# Altium PCB Battlebot_Main_PCB.PcbDoc
Units mm, origin at the board's own origin, x right, y up, seen from the top; angles counter-clockwise.
Board outline 152 x 130 mm, 2 copper layers (Top Layer, Bottom Layer); 26 components, 46 nets, 204 pads, 47 vias.
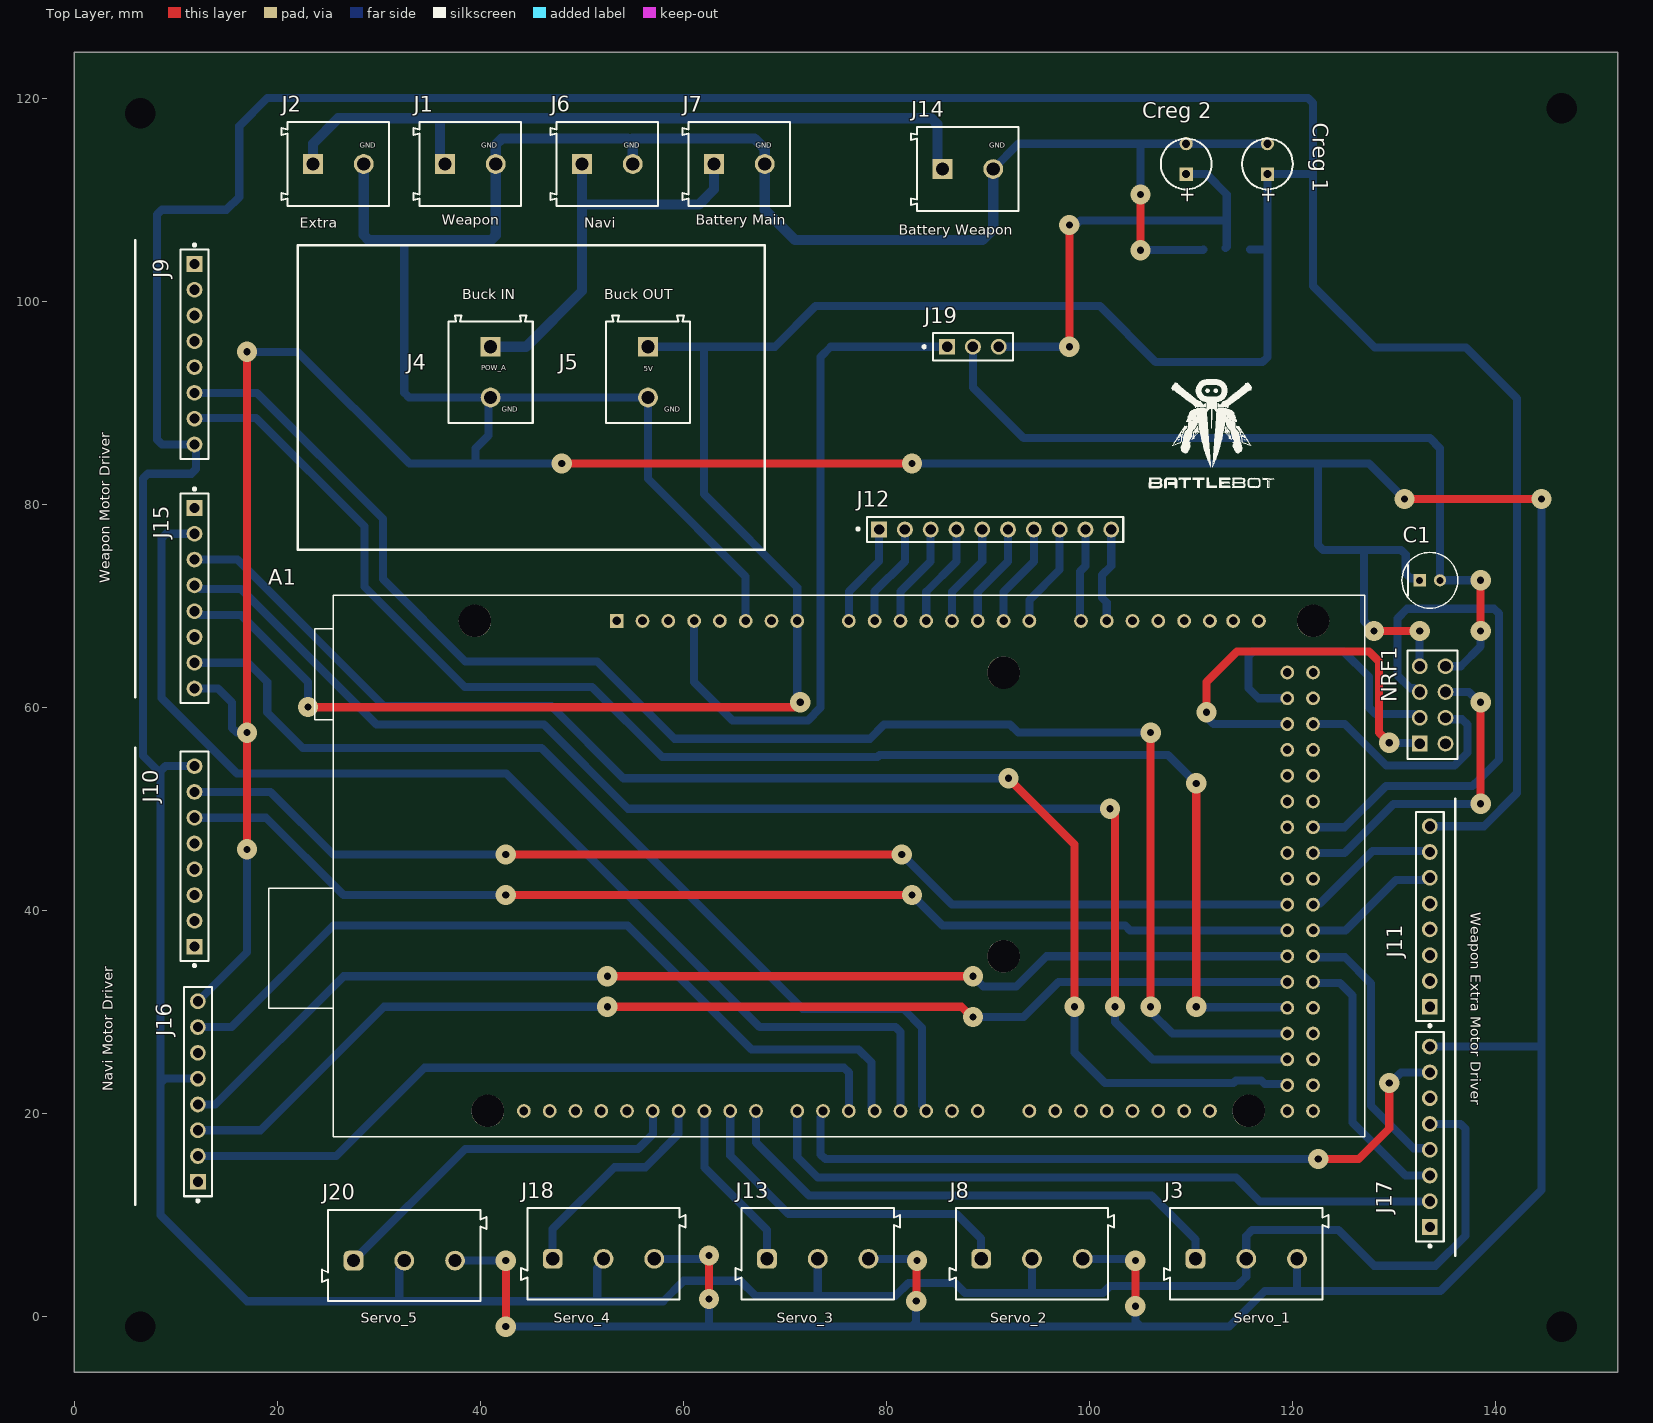
[diagram p0: Top Layer view]
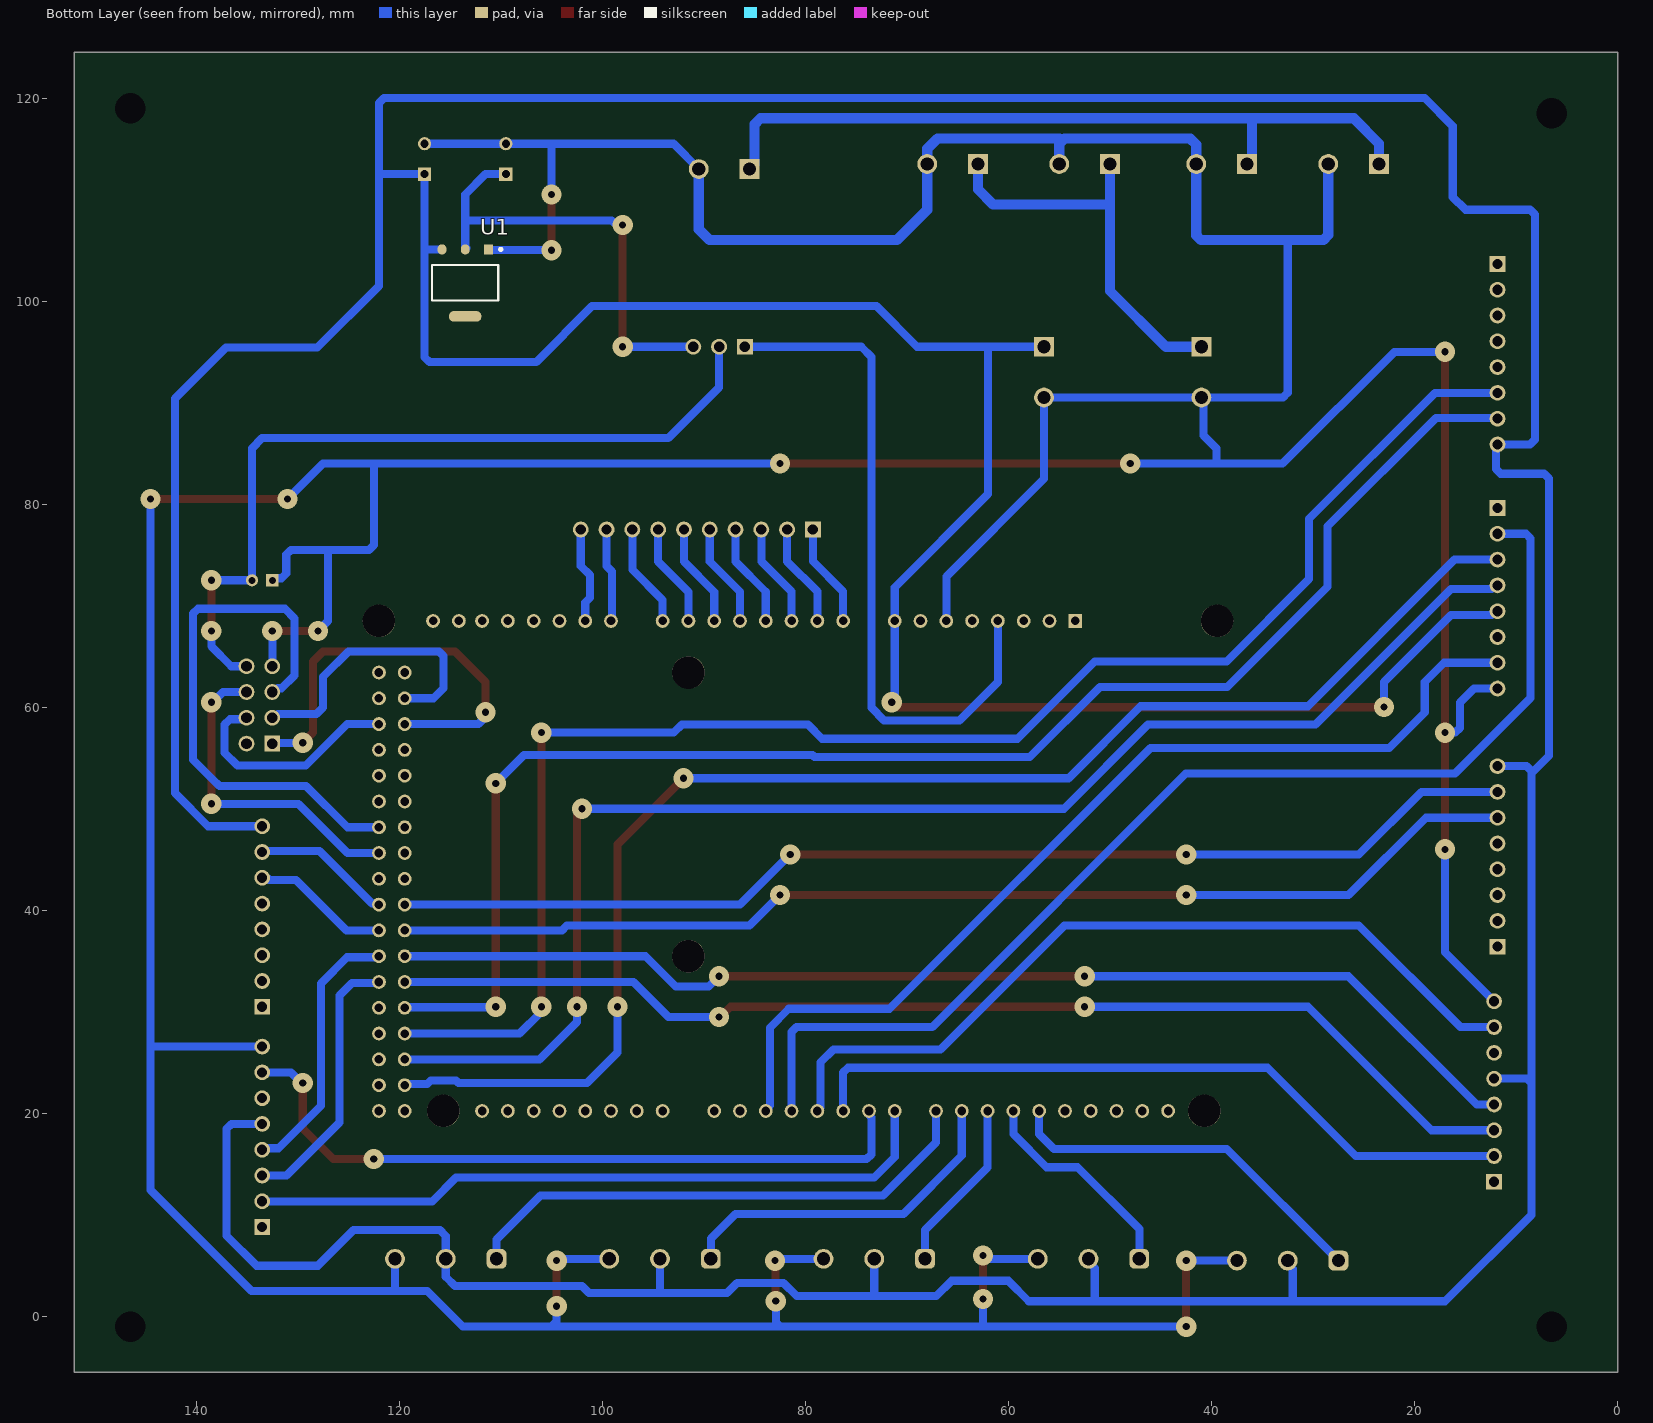
[diagram p1: Bottom Layer view, seen from below]
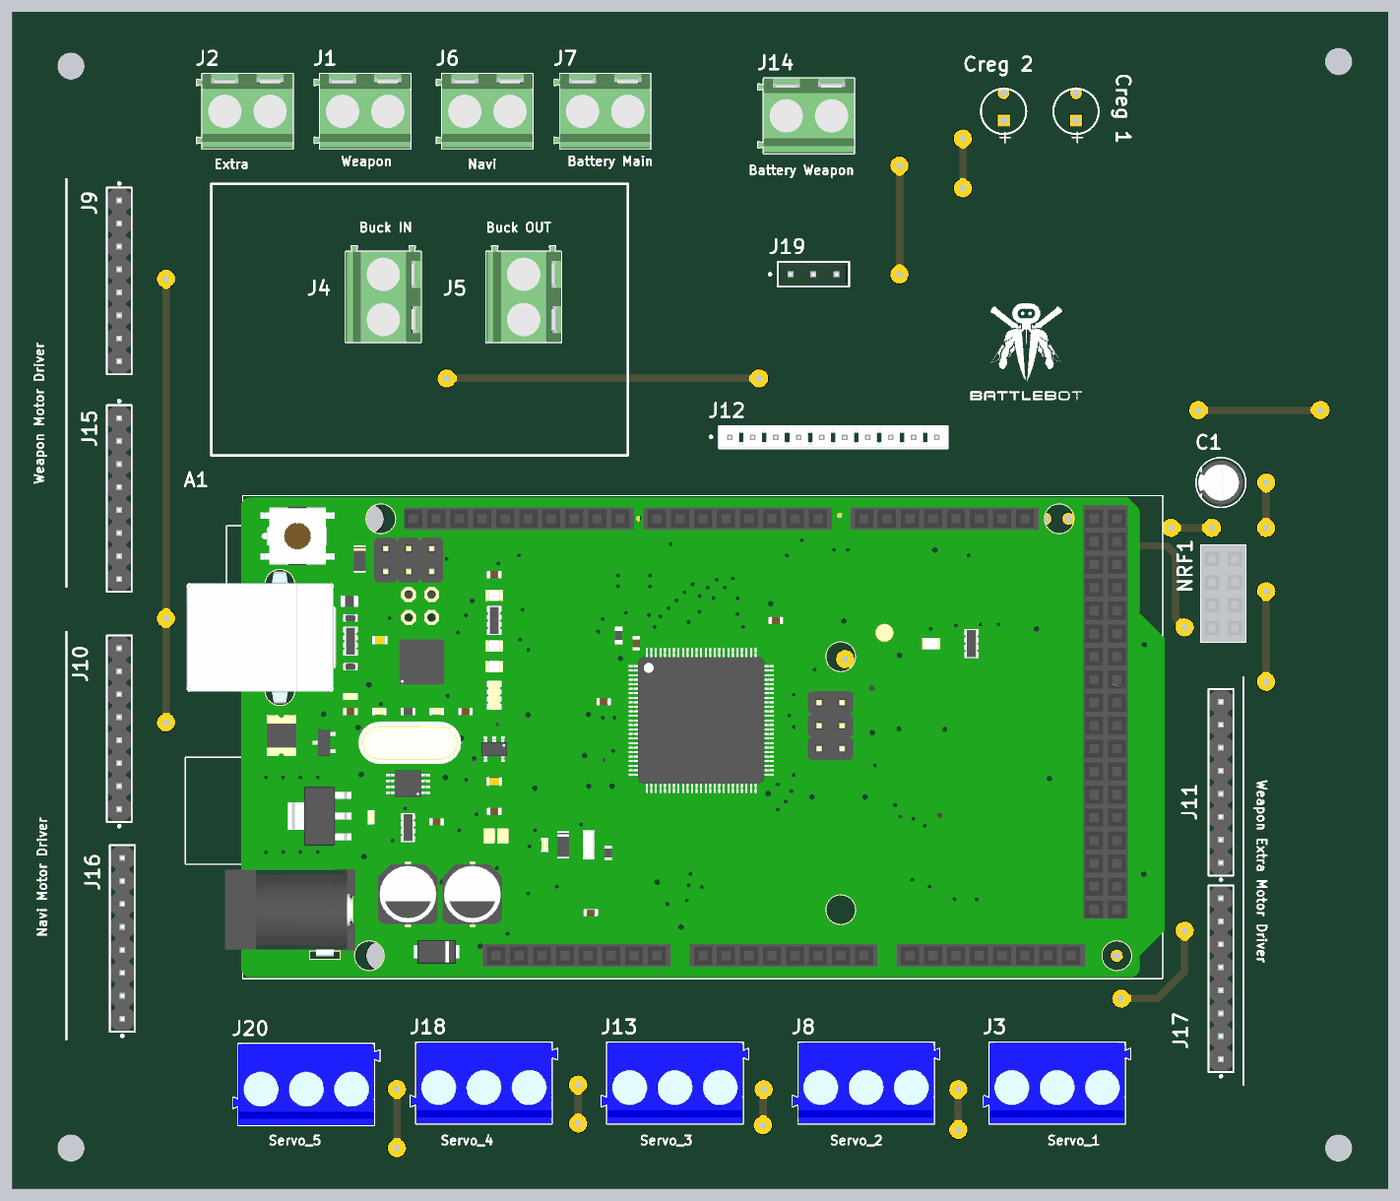
[diagram p2: 3D render of the assembled board from above, using the file's embedded part models]

## Layer stack, top to bottom
Top Solder: solder mask 0.0102, Solder Resist, Dk 3.5
Top Layer: signal copper 0.0356
Dielectric 1: dielectric 0.32, FR-4, Dk 4.8
Bottom Layer: signal copper 0.0356
Bottom Solder: solder mask 0.0102, Solder Resist, Dk 3.5

## Board outline
0,-5.5 0,124.5 152,124.5 152,-5.5

## Design rules (kind name [scope] priority, off if disabled: settings)
Clearance [All] p1: gap=0.254 ignorepadtopadclearanceinfootprint=FALSE except(0: Arc-Hole Track-Hole SMDPad-Hole THPad-Hole Via-Hole Fill-Hole Poly-Hole Region-Hole Text-Hole; 1: Arc-Arc Arc-Track Arc-THPad Track-Track Track-THPad)
HoleSize [All] p1: absolutevalues=TRUE maxlimit=4 minlimit=0.025 maxpercent=80.000 minpercent=20.000
PolygonConnect [All] p1: connectstyle=Relief reliefconductorwidth=0.254 reliefentries=4 polygonreliefangle="90 Angle" airgapwidth=0.254
RoutingVias [All] p1: holewidth=0.711 width=1.27 viastyle="Through Hole" minholewidth=0.711 minwidth=1.27 maxholewidth=3 maxwidth=3
SolderMaskExpansion [All] p1: expansion=0.102 istentingtop=FALSE
Width [All] p1: maxlimit=1 minlimit=0.8 preferedwidth=0.8 minimp=50.000000 maximp=50.000000 favimp=50.000000
Width 5V [InNet('5V')] p2: maxlimit=2 minlimit=1 preferedwidth=1 minimp=50.000000 maximp=50.000000 favimp=50.000000
Width Pow_B [InNet('Pow_B')] p3: maxlimit=2 minlimit=1 preferedwidth=1 minimp=50.000000 maximp=50.000000 favimp=50.000000
Width Pow_A [InNet('Pow_A')] p4: maxlimit=2 minlimit=1 preferedwidth=1 minimp=50.000000 maximp=50.000000 favimp=50.000000
Width GND [InNet('GND')] p5: maxlimit=2 minlimit=1 preferedwidth=1 minimp=50.000000 maximp=50.000000 favimp=50.000000
29 further rules are at their usual default settings.

## Components (designator, comment, footprint, x,y, rotation, side; value= is the part's Value field where it differs from the comment)
A1 "A000067" ARDUINO_A000067 76.28,44.37 r270 top
C1 "10uF'" FP-RAD-TH-D_5_0_5-L_11_1-MFG 133.5,72.5 r0 top
"Creg 1" "ECA1HM100" CAPPR55-200-1100X500X1200 117.5,113.5 r90 top
"Creg 2" "ECA1HM100" CAPPR55-200-1100X500X1200 109.5,113.5 r90 top
J1 "Weapon - Power supply" 691213710002 39,113.5 r0 top
J2 "Weapon - Power supply EXTRA" 691213710002 26,113.5 r0 top
J3 "691101710003" 691101710003 115.415,6.175 r0 top
J4 "691213710002" 691213710002 41,93 r270 top
J5 "691213710002" 691213710002 56.5,93 r270 top
J6 "Navigation - Power supply" 691213710002 52.5,113.5 r0 top
J7 "691213710002" 691213710002 65.5,113.5 r0 top
J8 "691101710003" 691101710003 94.314,6.175 r0 top
J9 "PREC008SAAN-RC" FP-PREC008SAAN-RC-MFG 11.836,94.77 r270 top
J10 "PREC008SAAN-RC" FP-PREC008SAAN-RC-MFG 11.836,45.31 r90 top
J11 "PREC008SAAN-RC" FP-PREC008SAAN-RC-MFG 133.5,39.39 r90 top
J12 "Analog Pins" FP-4-644456-0-MFG 90.69,77.5 r180 top
J13 "691101710003" 691101710003 73.213,6.175 r0 top
J14 "691213710002" 691213710002 88,113 r0 top
J15 "PREC008SAAN-RC" FP-PREC008SAAN-RC-MFG 11.836,70.73 r270 top
J16 "PREC008SAAN-RC" FP-PREC008SAAN-RC-MFG 12.171,22.15 r90 top
J17 "PREC008SAAN-RC" FP-PREC008SAAN-RC-MFG 133.5,17.69 r90 top
J18 "691101710003" 691101710003 52.112,6.175 r0 top
J19 "22-28-4030" FP-22-28-4030-MFG 88.5,95.5 r0 top
J20 "691101710003" 691101710003 32.5,6 r0 top
NRF1 "SSW-104-02-G-D" SMTC-SSW-104-02-X-D 132.5,56.42 r90 top
U1 "AMS1117-3.3" FP-AMS1117-IPC_C 113.5,101.795 r270 bottom

## Footprints (in the part's own frame and the unit in brackets; to place one, negate y for a bottom-side part, rotate by r counter-clockwise, add the part's x,y. Pads: shape width x height; smd on the part's side, far side on the other; paste and mask are expansions set on the pad)
691101710003 [mm] "5,00mm - modular - blue - Horizontal entry with pressure clamp - 12,6mm height - 03p"
  rrect50% 1.95x1.95 hole 1.3: 1(-5,-0.5)
  round 1.95 hole 1.3: 2(0,-0.5) 3(5,-0.5)
  silkscreen extent -8.1,-4.5 8.1,4.5, body extent -8.1,-4.5 8.1,4.5, height 12.65
691213710002 [mm] "5,00mm - modular - green - Horizontal entry with rising cage clamp -  10,0mm height - 02p"
  rect 1.95x1.95 hole 1.3: 1(-2.5,0)
  round 1.95 hole 1.3: 2(2.5,0)
  silkscreen extent -5.6,-4.15 5,4.15, body extent -5.6,-4.15 5,4.15, height 10.05
ARDUINO_A000067 [mm]
  round 1.358 hole 0.85: 0(24.13,12.7) 1(24.13,10.16) 2(24.13,7.62) 3(24.13,5.08) 3V3(-24.13,-15.24) 4(24.13,2.54) 5(24.13,0) 5V_1(-24.13,-12.7) 5V_2(24.13,43.18) 5V_3(24.13,45.72) 6(24.13,-2.54) 7(24.13,-5.08) 8(24.13,-9.144) 9(24.13,-11.684) 10(24.13,-14.224) 11(24.13,-16.764) 12(24.13,-19.304) 13(24.13,-21.844) 14(24.13,17.78) 15(24.13,20.32) 16(24.13,22.86) 17(24.13,25.4) 18(24.13,27.94) 19(24.13,30.48) 20(24.13,33.02) 21(24.13,35.56) 22(21.59,43.18) 23(21.59,45.72) 24(19.05,43.18) 25(19.05,45.72) 26(16.51,43.18) 27(16.51,45.72) 28(13.97,43.18) 29(13.97,45.72) 30(11.43,43.18) 31(11.43,45.72) 32(8.89,43.18) 33(8.89,45.72) 34(6.35,43.18) 35(6.35,45.72) 36(3.81,43.18) 37(3.81,45.72) 38(1.27,43.18) 39(1.27,45.72) 40(-1.27,43.18) 41(-1.27,45.72) 42(-3.81,43.18) 43(-3.81,45.72) 44(-6.35,43.18) 45(-6.35,45.72) 46(-8.89,43.18) 47(-8.89,45.72) 48(-11.43,43.18) 49(-11.43,45.72) 50(-13.97,43.18) 51(-13.97,45.72) 52(-16.51,43.18) 53(-16.51,45.72) AD0(-24.13,0) AD1(-24.13,2.54) AD2(-24.13,5.08) AD3(-24.13,7.62) AD4(-24.13,10.16) AD5(-24.13,12.7) AD6(-24.13,15.24) AD7(-24.13,17.78) AD8(-24.13,22.86) AD9(-24.13,25.4) AD10(-24.13,27.94) AD11(-24.13,30.48) AD12(-24.13,33.02) AD13(-24.13,35.56) AD14(-24.13,37.846) AD15(-24.13,40.386) AREF(24.13,-26.924) GND1(-24.13,-10.16) GND2(-24.13,-7.62) GND3(24.13,-24.384) GND4(-19.05,43.18) GND5(-19.05,45.72) IOREF(-24.13,-20.32) RESET(-24.13,-17.78) SCL(24.13,-32.004) SDA(24.13,-29.464) VIN(-24.13,-5.08)
  rect 1.358x1.358 hole 0.85: NC(-24.13,-22.86)
  round 3.2 hole 3.2 unplated: ""(-24.13,45.72) ""(-24.13,-36.83) ""(-19.05,15.24) ""(8.89,15.24) ""(24.13,39.37) ""(24.13,-35.56)
  silkscreen extent -26.67,-57.15 26.67,50.8, body extent -26.5,-57 26.5,51, height 13.23
CAPPR55-200-1100X500X1200 [mm] "THD, 2-Leads, Dia 5mm, Body Length 11mm"
  rect 1.3x1.3 hole 0.8: 1(-1,0)
  round 1.3 hole 0.8: 2(2,0)
  silkscreen extent -2.5,-2.5 2.5,2.5, body extent -2.5,-2.5 2.5,2.5, height 12
FP-4-644456-0-MFG [mil]
  rect 61.65x61.65 hole 40 paste-39370.1 mask+0: 1(450,0)
  round 61.65 hole 40 paste-39370.1 mask+0: 2(350,0) 3(250,0) 4(150,0) 5(50,0) 6(-50,0) 7(-150,0) 8(-250,0) 9(-350,0) 10(-450,0)
  silkscreen extent -497,-49 537,49, body extent -500,-52 500,52, height 10
FP-22-28-4030-MFG [mm]
  rect 1.57x1.57 hole 1.02 paste-1000 mask+0: 1(-2.54,0)
  round 1.57 hole 1.02 paste-1000 mask+0: 2(0,0) 3(2.54,0)
  silkscreen extent -4.92,-1.37 3.94,1.37, body extent -4.04,-1.47 4.04,1.47, height 0.25
FP-AMS1117-IPC_C [mm]
  rect 1.004x0.872 smd paste+0 mask+0: 1(-3.295,2.29)
  rrect100% 1.004x0.872 smd paste+0 mask+0: 2(-3.295,0) 3(-3.295,-2.29)
  rrect87% 1.004x3.182 smd paste+0 mask+0: 4(3.295,0)
  silkscreen extent -3.42,-3.25 1.75,3.62, body extent -3.53,-3.25 3.53,3.25, height 1.8
FP-PREC008SAAN-RC-MFG [mm]
  rect 1.55x1.55 hole 1 paste-1000 mask+0: 1(-8.89,0)
  round 1.55 hole 1 paste-1000 mask+0: 2(-6.35,0) 3(-3.81,0) 4(-1.27,0) 5(1.27,0) 6(3.81,0) 7(6.35,0) 8(8.89,0)
  silkscreen extent -10.88,-1.37 10.31,1.37, body extent -10.41,-1.47 10.41,1.47, height 0.25
FP-RAD-TH-D_5_0_5-L_11_1-MFG [mm]
  rect 1.2x1.2 hole 0.7 paste-1000 mask+0: 1(-1,0)
  round 1.2 hole 0.7 paste-1000 mask+0: 2(1,0)
  silkscreen extent -2.75,-2.75 2.75,2.75, body extent -2.85,-2.85 2.85,2.85, height 0.25
SMTC-SSW-104-02-X-D [mm] "SQ Post Socket, 2x4 Pins, Vertical, 2.54mm Pitch, Female"
  rect 1.55x1.55 hole 1.04: 1(0,0)
  round 1.55 hole 1.04: 2(0,-2.54) 3(2.54,0) 4(2.54,-2.54) 5(5.08,0) 6(5.08,-2.54) 7(7.62,0) 8(7.62,-2.54)
  silkscreen extent -1.53,-3.74 9.15,1.2, body extent -1.52,-3.75 9.14,1.21, height 8.51

## Part data
A1: "arduino mega 2560 rev3. ATmega2560 Mikrodenetleyici Mega GeliÅŸtirme KartÄ± 16MHz CPU 8KB RAM 4KB/256KB EEPROM/Flash", Package="Non-Standard Arduino", Availability="In Stock", Check_prices=https://www.snapeda.com/parts/A000067/Arduino/view-part/?ref=eda, MF=Arduino, MP=A000067, Price=None, Purchase-URL=https://pricing.snapeda.com/search/part/A000067/?ref=eda, SnapEDA_Link=https://www.snapeda.com/parts/A000067/Arduino/view-part/?ref=snap
C1: library part CMP-05427-000413-1, "Aluminum Electrolytic Capacitors (Radial Lead Type) AEC-Q200 Qualified 47uF ±20% 35V", Capacitance=47uF, Case/Package=Radial, Max Operating Temperature=105°C, Min Operating Temperature=-55°C, Package Quantity=200, Ripple Current=90mA, Tolerance=20%, Voltage=35V, Construction=RADIAL, Diameter=5mm, Height=11mm, Height - Seated (Max)=0.492inch, Lead Diameter=0.5mm, Lead Free="Lead Free", Lead Pitch=2.5mm, Lead/Base Style=Straight, Length=11mm, Life (Hours)=1000Hour, Mount="Through Hole", Number of Pins=2, Packaging=Bulk, Polarity=Polar, REACH SVHC="No SVHC", Ripple Current (AC)=90mA, RoHS Compliant=Yes, Series=HD, Termination=Radial, Voltage Rating=35V, Voltage Rating (DC)=35V
"Creg 1" "Creg 2": library part CMP-1665-00038-2, "Aluminum Electrolytic Capacitor, 10 uF, +/- 20%, 50 V, -40 to 85 degC, 2-Pin THD, RoHS, Bulk", Capacitance=10uF, Case/Package=Radial, Dielectric Material=Aluminium, Leakage Current=3uA, Manufacturer=Panasonic, Max Operating Temperature=85degC, Min Operating Temperature=-40degC, Package Description="2-Pin Radial Lead, Dia 5 mm, Height 12 mm", Package Quantity=200, Package Reference=CAPPR55-200-1100X500X1200, Ripple Current=65mA, Tolerance=20%, Voltage=50V, Datasheet URL=https://industrial.panasonic.com/cdbs/www-data/pdf/RDF0000/ABA0000C1218.pdf, Datasheet Version="Rev. 05, 10/2016", Diameter=5mm, Dissipation Factor=0.12%, Height=11mm, Height - Seated (Max)=0.472inch, Lead Diameter=0.5mm, Lead Free=LeadFree, Lead Pitch=2mm, Lead/Base Style=Straight, Length=11mm, Life (Hours)=2000Hour, Manufacturer URL=http://www.panasonic.com/, Mount=ThroughHole, Number of Pins=2, Packaging=Bulk, Radiation Hardening=No, REACH SVHC=NoSVHC, Ripple Current (AC)=65mA, RoHSCompliant=true, Termination=Radial, Voltage Rating=50V, Voltage Rating (DC)=50V
J1 J2 J6: library part CMP-1502-02526-1, "Serie 213 - 5.00 mm Horizontal Entry Modular with RisingCage Clamp WR-TBL, 2 pin", Manufacturer="Wurth Elektronik", Operating Temperature=-40to105degC, Package Reference=691213710002, Datasheet URL=http://katalog.we-online.de/em/datasheet/6912137100xx.pdf, Manufacturer URL=http://www.we-online.de, Mounting Technology=THT, Packaging=Box, Part Number=691213710002, Pin Number=2, Pitch=5.00mm, Publisher=WurthElektronik
J3 J8 J13 J18 J20: library part CMP-1502-03257-2, Color=Blue, Current=16A, Max Operating Temperature=105°C, Min Operating Temperature=-40°C, Voltage=250V, Contact Material=Brass, Contact Plating=Tin, Current Rating=16A, Height=16.4mm, Housing Material=Nylon, Lead Pitch=5mm, Length=9mm, Mount="Through Hole", NexarPartId=8917705, Number of Contacts=3, Number of Levels=1, Number of Pins=3, Number of Positions Per Level=3, Packaging=Box, Pitch=5.0038mm, Plating=Steel, REACH SVHC=Unknown, RoHS=Compliant, Stripping Length=-7mm, Termination=Screw, Voltage Rating=250V, Width=16.2mm, Wire Gauge (Max)=26AWG, Wire Gauge (Min)=14AWG, Wire/Cable Gauge=26AWG
J4 J5 J7 J14: library part CMP-1502-02526-1, "Serie 213 - 5.00 mm Horizontal Entry Modular with RisingCage Clamp WR-TBL, 2 pin", Manufacturer="Wurth Elektronik", Operating Temperature=-40to105degC, Datasheet URL=http://katalog.we-online.de/em/datasheet/6912137100xx.pdf, Manufacturer URL=http://www.we-online.de, Mounting Technology=THT, Package Reference=691213710002, Packaging=Box, Part Number=691213710002, Pin Number=2, Pitch=5.00mm, Publisher=WurthElektronik
J9 J10 J11 J15 J16 J17: library part CMP-25680-000013-1, "CONN HEADER VERT 8POS 2.54MM", Current Rating=3A, Manufacturer=Sullins, Temperature="-40°C to +105°C", Temperature Range High=+105°C, Temperature Range Low=-40°C, Automotive=No, Category=Conn, ComponentLink2Description=Datasheet, ComponentLink2URL=https://drawings-pdf.s3.amazonaws.com/11635.pdf, Conn Gender=Male, Conn Orientation=Straight, Contact Material=Tin,Nickel, Device Class L1=Connectors, Device Class L2="Headers and Wire Housings", Device Class L3=unset, Digikey Description="CONN HEADER VERT 8POS 2.54MM", Height=8.74mm, Lead Free=Yes, Manufacturer Part Number=PREC008SAAN-RC, Number of Contacts=8, Number of Rows=1, Octopart=https://octopart.com/prec008saan-rc-sullins-22265145, Package=PREC008SAAN-RC, Pitch=2.54mm, RoHS=TRUE
J12: library part CMP-03369-000038-1, "CONN HEADER VERT 10POS 2.54MM", Current Rating=5A, Manufacturer="TE Connectivity", Manufacturer Part Number=4-644456-0, Temperature="-55°C to +105°C", Temperature Range High=+105°C, Temperature Range Low=-55°C, Voltage Rating=250V, Automotive=No, Category=Conn, ComponentLink2Description=Datasheet, ComponentLink2URL=https://www.te.com/commerce/DocumentDelivery/DDEController?Action=showdoc&DocId=Data+Sheet%7F82056_MTA%7F0818%7Fpdf%7FEnglish%7FENG_DS_82056_MTA_0818.pdf%7F4-644456-0, Conn Gender=Male, Conn Orientation=Vertical, Contact Material=Tin, Device Class L1=Connectors, Device Class L2="Headers and Wire Housings", Device Class L3=unset, Digikey Description="CONN HEADER VERT 10POS 2.54MM", Footprint Url=https://www.te.com/commerce/DocumentDelivery/DDEController?Action=showdoc&DocId=Customer+Drawing%7F644456%7FD2%7Fpdf%7FEnglish%7FENG_CD_644456_D2.pdf%7F4-644456-0, Height=0.408inch, Lead Free=Yes, Mouser Description="Headers & Wire Housings NARROW FLT HDR 10P Straight Post", Number of Contacts=10, Number of Rows=1, Octopart=https://octopart.com/4-644456-0-te+connectivity-39514173, Package=4-644456-0, Pitch=2.54mm, RoHS=TRUE
J19: library part CMP-04776-000098-1, "CONN HEADER VERT 3POS 2.54MM", Current Rating=4A, Manufacturer=Molex, Temperature="-40°C to +80°C", Temperature Range High=+80°C, Temperature Range Low=-40°C, Voltage Rating=500V, Automotive=No, Category=Conn, ComponentLink2Description=Datasheet, ComponentLink2URL=https://www.molex.com/webdocs/datasheets/pdf/en-us/0022284030_PCB_HEADERS.pdf, Conn Gender=Male, Conn Orientation=Vertical, Contact Material=Gold,Nickel, Device Class L1=Connectors, Device Class L2="Headers and Wire Housings", Device Class L3=unset, Digikey Description="CONN HEADER VERT 3POS 2.54MM", Footprint Url=https://www.molex.com/pdm_docs/sd/022284030_sd.pdf, Height=8.88mm, Lead Free=Yes, Manufacturer Part Number=22-28-4030, Mouser Description="Headers & Wire Housings 3P VERT HEADER Sn", Number of Contacts=3, Number of Rows=1, Octopart=https://octopart.com/0022284030-molex-10476094, Package=22-28-4030, Pitch=2.54mm, RoHS=TRUE
NRF1: library part CMP-1023-00343-1, "SQ Post Socket, Through-hole, Vertical, -55 to 125 degC, 2.54mm Pitch, 8-Pin, Female, RoHS", Manufacturer=Samtec, Temperature Range="-55 to 125 degC", ComponentLink1Description="Manufacturer URL", ComponentLink1URL=http://www.samtec.com, ComponentLink2Description=Datasheet, ComponentLink2URL=http://www.samtec.com/documents/webfiles/pdf/SSW_TH.PDF, ComponentLink3Description="Package Specification", ComponentLink3URL=http://www.samtec.com/documents/webfiles/cpdf/SSW-1XX-XX-XXX-X-XX-XXX-XX-MKT.pdf, DatasheetVersion=F-214, Mounting Technology=Through-hole, Orientation=Vertical, PackageDescription="Assembly, Socket Strip .016 X .031 Tail", PackageReference=SSW-104-02-X-D, PackageVersion="CA, 6/1987", PartNumber=SSW-104-02-G-D, Pitch="2.54 mm", RoHS=True
U1: library part CMP-209535-000001-1, "LDO Voltage Regulators 1A, 3.3V", Dropout Voltage=1.1V, Manufacturer="Advanced Monolithic Systems", Max Junction Temp=+125°C, Max Power Dissipation=1.2W, Max Supply Voltage=15V, Nominal Supply Current=5mA, Output Current=1A, Output Voltage=3.3V, Package=AMS1117, Temperature="-40°C to +125°C", Temperature Range Low=-40°C, Automotive=No, Category=IC, ComponentLink2Description=Datasheet, ComponentLink2URL=http://www.advanced-monolithic.com/pdf/ds1117.pdf, Device Class L1="Integrated Circuits (ICs)", Device Class L2="Power Management ICs", Device Class L3="Voltage Regulators - Linear", Height=1.8mm, Ipc Land Pattern Name=SOT229P700X180-4, Lead Free=Yes, Manufacturer Part Number=AMS1117-3.3, Number Of Outputs=1, Octopart=https://octopart.com/ams1117-3.3-advanced+monolithic+systems-25899300, Output Type=Fixed, RoHS=TRUE, Standoff Height=0.64mm, Temperature Range High=+125°C

## Free pads (board coordinates)
  round 1.524 hole 3 unplated: 7(6.5,-1) 7(6.5,118.5) 7(146.5,-1) 7(146.5,119)

## Via types
v1: diameter 2, hole 0.711, Top Layer to Bottom Layer, 47 vias

## Nets (pads, with @x,y where several pads share a name; then routed paths per layer and width w, separated by ;. In a path a pad name is that pad's centre, name@x,y a point inside that pad or via, vN(x,y) a via of type N, cw(c..) or ccw(c..) an arc to the next point about the centre after c; other vN are vias at no path point)
3.3V_board: A1.3V3 J19.1 | length 68
  Bottom Layer w0.8: A1.3V3 61.04,62.469 64.809,58.7 72.246,58.7 73.5,59.954 73.5,94.5 74.5,95.5 J19.1
3.3V_regulator: "Creg 2.1" J19.3 U1.2 | length 44.8
  Top Layer w0.8: v1(98,95.5) v1(98,107.5)
  Bottom Layer w0.8: J19.3 v1(98,95.5) ; v1(98,107.5) 98.23,107.73 98.875,107.73 99.069,107.923 113.5,107.923 ; 109.5,112.5 111.5,112.5 113.5,110.5 113.5,107.923 ; U1.2@113.372,105.218 113.5,105.346 113.5,107.923
3v3: C1.2 J19.2 NRF1.8 | length 80.3
  Top Layer w0.8: v1(138.5,67.5) v1(138.5,72.5)
  Bottom Layer w0.8: J19.2 88.5,91.5 93.5,86.5 133.5,86.5 134.5,85.5 C1.2 v1(138.5,72.5) ; NRF1.8 136.54,64.04 138.5,66 v1(138.5,67.5)
5V: "Creg 1.1" A1.VIN J3.2 J5.1 J8.2 J9.8 J10.8 J11.8 J13.2 J15.5 J16.5 J17.5 J18.2 J20.2 U1.3 | length 694
  Top Layer w0.8: v1(23.023,60.023) 23.046,60 v1@70.873,60
  Bottom Layer w0.8: J10.8@11.792,54.2 8.969,54.2 8.5,53.731 8.5,53.5 ; J15.5 12.039,69.46 12.404,69.095 16.405,69.095 23,62.5 23,60.24 23.023,60.217 v1(23.023,60.023) ; J16.5 8.92,23.42 8.5,23 ; J20.2 32.5,5.189 32,4.689 32,1.5 ; J18.2 52.112,5.364 51.5,4.752 51.5,1.5 ; J5.1 62,95.5 ; v1(71.5,60.5) 71.5,60.627 71.2,60.927 A1.VIN 71.2,71.8 62,81 62,95.5 ; J13.2 73.212,2 ; J8.2 94.313,2.313 ; U1.3 117.41,105.09 117.5,105 ; J17.5 136.531,18.96 137,18.491 137,7.95 134.05,5 128,5 124.5,8.5 116,8.5 115.414,7.914 J3.2 115.414,3.914 114.5,3 102,3 101.313,2.313 94.313,2.313 ; J11.8 138.826,48.28 142.1,51.554 142.1,90.4 137.075,95.425 128.075,95.425 122,101.5 122,112.5 ; 8.5,23 8.5,10 17,1.5 32,1.5 ; 8.5,23 8.5,53.5 ; 8.5,53.5 6.78,55.22 6.78,82.531 7.249,83 11.531,83 12,83.469 12,85.185 11.979,85.206 11.979,85.736 J9.8 8.62,85.88 8.151,86.349 8.151,108.531 8.62,109 15,109 16.25,110.25 16.25,117.25 19,120 121.5,120 122,119.5 122,112.5 ; 32,1.5 51.5,1.5 ; 51.5,1.5 58,1.5 60.011,3.511 65.605,3.511 67.116,2 73.212,2 ; 62,95.5 69,95.5 73,99.5 101,99.5 106.5,94 117.031,94 117.5,94.469 117.5,105 ; 73.212,2 80.853,2 82.164,3.311 86.716,3.311 87.714,2.313 94.313,2.313 ; 117.5,105 117.5,112.5 122,112.5
A0: A1.AD0 J12.1 | length 10.2
  Bottom Layer w0.8: A1.AD0 76.28,71.394 79.26,74.374 J12.1
A1: A1.AD1 J12.2 | length 10.2
  Bottom Layer w0.8: A1.AD1 78.82,71.388 81.8,74.368 J12.2
A2: A1.AD2 J12.3 | length 10.2
  Bottom Layer w0.8: A1.AD2 81.36,71.383 84.34,74.363 J12.3
A3: A1.AD3 J12.4 | length 10.2
  Bottom Layer w0.8: A1.AD3 83.9,71.377 86.88,74.357 J12.4
A4: A1.AD4 J12.5 | length 10.2
  Bottom Layer w0.8: A1.AD4 86.44,71.372 89.42,74.352 J12.5
A5: A1.AD5 J12.6 | length 10.2
  Bottom Layer w0.8: A1.AD5 88.98,71.366 91.96,74.346 J12.6
A6: A1.AD6 J12.7 | length 10.2
  Bottom Layer w0.8: A1.AD6 91.52,71.36 94.5,74.34 J12.7
A7: A1.AD7 J12.8 | length 10.2
  Bottom Layer w0.8: A1.AD7 94.06,70.56 97.04,73.54 J12.8
A8: A1.AD8 J12.9 | length 9.3
  Bottom Layer w0.8: A1.AD8 99.033,68.607 99.033,73.373 99.58,73.92 J12.9
A9: A1.AD9 J12.10 | length 9.6
  Bottom Layer w0.8: A1.AD9 101.68,70.32 101.219,70.781 101.219,73.013 102.12,73.914 J12.10
CE: A1.43 NRF1.5 | length 54.5
  Bottom Layer w0.8: A1.43 125.089,48.18 129.164,52.255 137.709,52.255 138.001,52.546 138.023,52.546 140.3,54.823 140.3,69.231 139.831,69.7 131.269,69.7 130.325,68.756 130.325,63.139 131.599,61.865 131.932,61.865 132.297,61.5 NRF1.5
CSN: A1.41 NRF1.6 | length 32.4
  Top Layer w0.8: v1(138.5,50.5) v1(138.5,60.5)
  Bottom Layer w0.8: A1.41 125.094,45.64 129.909,50.455 138.455,50.455 v1(138.5,50.5) ; NRF1.6 137.373,61.5 138.373,60.5 v1(138.5,60.5)
GND: "Creg 1.2" "Creg 2.2" A1.GND1 C1.1 J1.2 J2.2 J3.3 J4.2 J5.2 J6.2 J7.2 J8.3 J13.3 J14.2 J15.8 J16.8 J17.8 J18.3 J20.3 NRF1.7 U1.1 | length 693.9
  Top Layer w0.8: v1(17,46) v1(17,95) ; v1(42.5,-1) v1(42.5,5.5) ; v1(48,84) v1(82.5,84) ; v1(62.5,1.711) v1(62.5,6) ; v1(82.91,1.511) 82.955,1.556 82.955,5.455 v1(83,5.5) ; v1(104.5,1) v1(104.5,5.5) ; v1(105,105) v1(105,110.5) ; v1(128,67.5) v1(132.5,67.5) ; v1(131,80.5) v1(144.5,80.5)
  Bottom Layer w0.8: J15.8 14.16,61.84 15.535,60.465 15.535,57.969 16.004,57.5 v1(17,57.5) ; J16.8 17,35.868 v1(17,46) ; v1(17,95) 22,95 33,84 39.5,84 39.5,85.5 40.78,86.78 J4.2@40.78,90.28 ; 32.5,106 32.5,90.969 32.969,90.5 J4.2 J5.2 56.5,82.5 66.12,72.88 A1.GND1 ; J20.3 v1(42.5,5.5) ; 39.559,84 v1(48,84) ; v1(42.5,-1) 62.5,-1 ; J18.3 v1@62.448,5.675 ; v1(62.5,1.711) 62.5,-1 ; J13.3 82.698,5.675 82.873,5.5 v1(83,5.5) ; v1(82.5,84) 122.5,84 ; v1(82.91,1.511) 82.91,-0.59 82.5,-1 ; J14.2 93,115.5 105,115.5 ; J8.3 104.325,5.675 v1(104.5,5.5) ; v1(104.5,1) 104.5,-0.5 105,-1 ; v1(105,105) 105.045,105.045 111.174,105.045 111.21,105.081 U1.1 ; v1(105,110.5) 105,115.5 ; 117.5,115.5 109.5,115.5 105,115.5 ; J3.3 120.414,2.586 120.5,2.5 ; v1(128,67.5) 127,68.5 127,75.5 ; v1(131,80.5) 127.5,84 122.5,84 ; NRF1.7@132.48,64.06 132.48,67.48 v1(132.5,67.5) ; C1.1 132.3,72.7 131.594,72.7 131.125,73.169 131.125,75.031 130.656,75.5 127,75.5 ; J17.8 144.5,26.58 ; v1(144.5,80.5) 144.5,26.58 ; 62.5,-1 82.5,-1 ; 82.5,-1 105,-1 ; 105,-1 113.739,-1 117.239,2.5 120.5,2.5 ; 120.5,2.5 134.546,2.5 144.5,12.454 144.5,26.58 ; 122.5,84 122.5,75.969 122.969,75.5 127,75.5
  Bottom Layer w1: J2.2 28.5,106.5 29,106 32.5,106 41.031,106 41.5,106.469 41.5,115.414 42.086,116 54.492,116 54.746,115.746 ; J6.2 55,115.492 54.746,115.746 ; J14.2 90.5,107.081 89.419,106 71,106 68,109 J7.2 68,115 67,116 55,116 54.746,115.746
IRQ: NRF1.2
M1_INA: A1.22 J15.3 | length 141.2
  Top Layer w0.8: v1(92,53) 98.5,46.5 v1(98.5,30.5)
  Bottom Layer w0.8: J15.3@11.839,74.537 16.054,74.537 30.491,60.1 46.991,60.1 54.091,53 v1(92,53) ; v1@98.5,30.454 98.5,26 101.5,23 114.167,23 114.407,23.24 116.893,23.24 117.246,22.887 119.353,22.887 A1.22
M1_INB: A1.24 J15.4 | length 139
  Top Layer w0.8: v1(102,50) 102,49.873 102.5,49.373 v1(102.5,30.5)
  Bottom Layer w0.8: J15.4 12.039,72 12.404,71.635 16.411,71.635 29.746,58.3 46.246,58.3 54.546,50 v1(102,50) ; v1(102.5,30.5) 102.5,29 106.18,25.32 A1.24
M1_PWM: A1.2 J15.7 | length 96.7
  Bottom Layer w0.8: J15.7 17.12,64.38 19,62.5 19,59.5 22.5,56 46,56 71.7,30.3 81.637,30.3 83.5,28.437 83.5,20.791 83.9,20.391 A1.2
M2_INA: A1.26 J9.6 | length 154.5
  Top Layer w0.8: v1(106,30.5) v1(106,57.5)
  Bottom Layer w0.8: J9.6 17.994,90.96 30.388,78.566 30.388,72.612 38.5,64.5 51.5,64.5 59.1,56.9 78.354,56.9 79.754,58.3 92.163,58.3 92.963,57.5 v1(106,57.5) ; v1(106,30.5) 106.09,30.41 106.09,29.91 108.14,27.86 A1.26
M2_INB: A1.28 J9.7 | length 148.3
  Top Layer w0.8: v1(110.5,30.5) v1(110.5,52.5)
  Bottom Layer w0.8: J9.7 11.916,88.5 17.909,88.5 28.588,77.82 28.588,71.866 38.454,62 51,62 57.9,55.1 79.1,55.1 79.3,55.3 107.7,55.3 v1(110.5,52.5) ; v1(110.5,30.5) 110.55,30.45 119.41,30.45 A1.28
M2_PWM: A1.3 J15.2 | length 113.3
  Bottom Layer w0.8: J15.2 9.049,77.08 8.58,76.611 8.58,60.92 16.04,53.46 42.54,53.46 67.5,28.5 80.891,28.5 81.36,28.031 A1.3
M3_INA: A1.30 J16.3 | length 114.2
  Top Layer w0.8: v1(52.5,30.5) 87.373,30.5 88.373,29.5 v1(88.5,29.5)
  Bottom Layer w0.8: J16.3 18.34,18.34 30.5,30.5 v1(52.5,30.5) ; v1(88.5,29.5) 93.5,29.5 96.94,32.94 A1.30
M3_INB: A1.32 J16.4 | length 114.2
  Top Layer w0.8: v1(52.5,33.5) v1(88.5,33.5)
  Bottom Layer w0.8: J16.4 13.88,20.88 26.5,33.5 v1(52.5,33.5) ; v1(88.5,33.5) 89.52,32.48 92.763,32.48 95.763,35.48 A1.32
M3_PWM: A1.4 J16.7 | length 81
  Bottom Layer w0.8: J16.7 15.5,28.5 25.5,38.5 54.5,38.5 66.709,26.291 77.241,26.291 78.5,25.031 78.5,20.56 A1.4
M4_INA: A1.34 J10.6 | length 112.2
  Top Layer w0.8: v1(42.5,41.5) v1(82.5,41.5)
  Bottom Layer w0.8: J10.6 18.88,49.12 26.5,41.5 v1(42.5,41.5) ; v1(82.5,41.5) 85.5,38.5 103.5,38.5 103.98,38.02 A1.34
M4_INB: A1.36 J10.7 | length 112.2
  Top Layer w0.8: v1(42.5,45.5) v1(81.5,45.5)
  Bottom Layer w0.8: J10.7 19.34,51.66 25.5,45.5 v1(42.5,45.5) ; v1(81.5,45.5) 86.44,40.56 A1.36
M4_PWM: A1.5 J16.2 | length 71.7
  Bottom Layer w0.8: J16.2 25.8,15.8 34.491,24.491 75.811,24.491 76.28,24.022 A1.5
M5_INA: A1.31 J17.3 | length 26.7
  Bottom Layer w0.8: A1.31 122.107,32.833 124.667,32.833 125.9,31.6 125.9,19.1 131.12,13.88 J17.3
M5_INB: A1.33 J17.4 | length 26.5
  Bottom Layer w0.8: A1.33 122.107,35.373 125.127,35.373 127.7,32.8 127.7,20.754 131.891,16.564 133.356,16.564 J17.4
M5_PWM: A1.6 J17.7 | length 70.7
  Top Layer w0.8: v1(122.5,15.5) 126.5,15.5 129.5,18.5 v1(129.5,23)
  Bottom Layer w0.8: A1.6 73.633,20.133 73.633,19.739 73.5,19.605 73.5,15.969 73.969,15.5 v1(122.5,15.5) ; v1(129.5,23) 129.627,23 130.667,24.04 J17.7
M6_INA: A1.35 J11.6 | length 13.6
  Bottom Layer w0.8: A1.35 125.2,38.02 130.18,43 132.77,43 132.826,43.056 133.356,43.056 J11.6
M6_INB: A1.37 J11.7 | length 13.7
  Bottom Layer w0.8: A1.37 122.107,40.667 122.667,40.667 127.848,45.848 133.392,45.848 J11.7
M6_PWM: A1.7 J17.2 | length 68.6
  Bottom Layer w0.8: A1.7 71.2,15.723 73.223,13.7 114.391,13.7 116.751,11.34 J17.2
MISO: A1.50 NRF1.1 | length 41.8
  Top Layer w0.8: v1(111.5,59.5) 111.5,62.5 114.5,65.5 127.5,65.5 128.5,64.5 128.5,57.5 v1(129.5,56.5)
  Bottom Layer w0.8: v1(111.5,59.5) 111.59,59.41 111.59,58.954 112.204,58.34 A1.50 ; v1(129.5,56.5) 129.54,56.46 132.46,56.46 NRF1.1
MOSI: A1.51 NRF1.4 | length 22.7
  Bottom Layer w0.8: A1.51 125.114,58.34 129.209,54.245 135.941,54.245 137.215,55.519 137.215,58.285 136.684,58.816 135.183,58.816 NRF1.4
Pow_A: J4.1 J6.1 J7.1 | length 39.9
  Bottom Layer w1: J4.1 44.5,95.5 50,101 50,109.5 ; J6.1 50,109.5 ; J7.1 63,111 61.5,109.5 50,109.5
Pow_B: J1.1 J2.1 J14.1 | length 74.1
  Bottom Layer w1: J2.1 23.5,115.5 26,118 36,118 ; J1.1 36,114 36,118 ; J14.1 85.025,113.475 85.025,114.036 85,114.061 85,117.414 84.414,118 36,118
SCK: A1.52 NRF1.3 | length 28.9
  Bottom Layer w0.8: A1.52 116.62,60.88 115.633,61.867 115.633,65.03 116.101,65.499 125.001,65.499 127.5,63 127.5,59.969 128.144,59.325 131.932,59.325 132.297,58.96 NRF1.3
servo1: A1.8 J3.1 | length 52.2
  Bottom Layer w0.8: A1.8 67.136,17.136 72.372,11.9 106.1,11.9 110.414,7.586 J3.1
servo2: A1.9 J8.1 | length 34.5
  Bottom Layer w0.8: A1.9 64.596,15.85 70.346,10.1 86.9,10.1 89.313,7.687 J8.1
servo3: A1.10 J13.1 | length 17.1
  Bottom Layer w0.8: A1.10 62.056,14.672 68.212,8.515 J13.1
servo4: A1.11 J18.1 | length 21.5
  Bottom Layer w0.8: J18.1 47.112,8.612 53.2,14.7 56.246,14.7 59.516,17.97 A1.11
servo5: A1.12 J20.1 | length 36.9
  Bottom Layer w0.8: J20.1 38.5,16.5 55.5,16.5 56.976,17.976 A1.12
pads on no net: A1. A1.0 A1.1 A1.5V_1 A1.5V_2 A1.5V_3 A1.13 A1.14 A1.15 A1.16 A1.17 A1.18 A1.19 A1.20 A1.21 A1.23 A1.25 A1.27 A1.29 A1.38 A1.39 A1.40 A1.42 A1.44 A1.45 A1.46 A1.47 A1.48 A1.49 A1.53 A1.AD10 A1.AD11 A1.AD12 A1.AD13 A1.AD14 A1.AD15 A1.AREF A1.GND2 A1.GND3 A1.GND4 A1.GND5 A1.IOREF A1.NC A1.RESET A1.SCL A1.SDA J9.1 J9.2 J9.3 J9.4 J9.5 J10.1 J10.2 J10.3 J10.4 J10.5 J11.1 J11.2 J11.3 J11.4 J11.5 J15.1 J15.6 J16.1 J16.6 J17.1 J17.6 U1.4

## Silkscreen, mask and mechanical layers (free items; w line width, h text height)
Top Overlay:
  drawing of 49 lines, arcs and shapes, not listed
  text "GND" at 28.1,115.1 h0.5
  text "GND" at 40.1,115.1 h0.5
  text "GND" at 54.1,115.1 h0.5
  text "GND" at 67.1,115.1 h0.5
  text "GND" at 90.1,115.1 h0.5
  text "Weapon" at 36.2,107.533 h1
  text "Battery Main" at 61.2,107.533 h1
  text "Extra" at 22.2,107.2 h1
  text "Navi" at 50.2,107.2 h1
  text "Battery Weapon" at 81.2,106.533 h1
  text "Buck IN" at 38.2,100.2 h1
  text "Buck OUT" at 52.2,100.2 h1
  text "POW_A" at 40.1,93.183 h0.5
  text "5V" at 56.1,93.1 h0.5
  text "GND" at 42.1,89.1 h0.5
  text "GND" at 58.1,89.1 h0.5
  text "Weapon Motor Driver" at 3.467,72.2 h1 r90
  text "Weapon Extra Motor Driver" at 137.533,39.8 h1 r270
  text "Navi Motor Driver" at 3.8,22.2 h1 r90
  text "Servo_5" at 28.2,-0.633 h1
  text "Servo_4" at 47.2,-0.633 h1
  text "Servo_3" at 69.2,-0.633 h1
  text "Servo_2" at 90.2,-0.633 h1
  text "Servo_1" at 114.2,-0.633 h1

## Text inside footprints (layer, text, board x,y; h text height)
"Creg 1": Top Overlay "+" at 118.237,109.592 h1.5 r90
"Creg 2": Top Overlay "+" at 110.237,109.592 h1.5 r90